# KiCad board SparkFun_IoT_RedBoard-RP2350_panelized.kicad_pcb (continued)
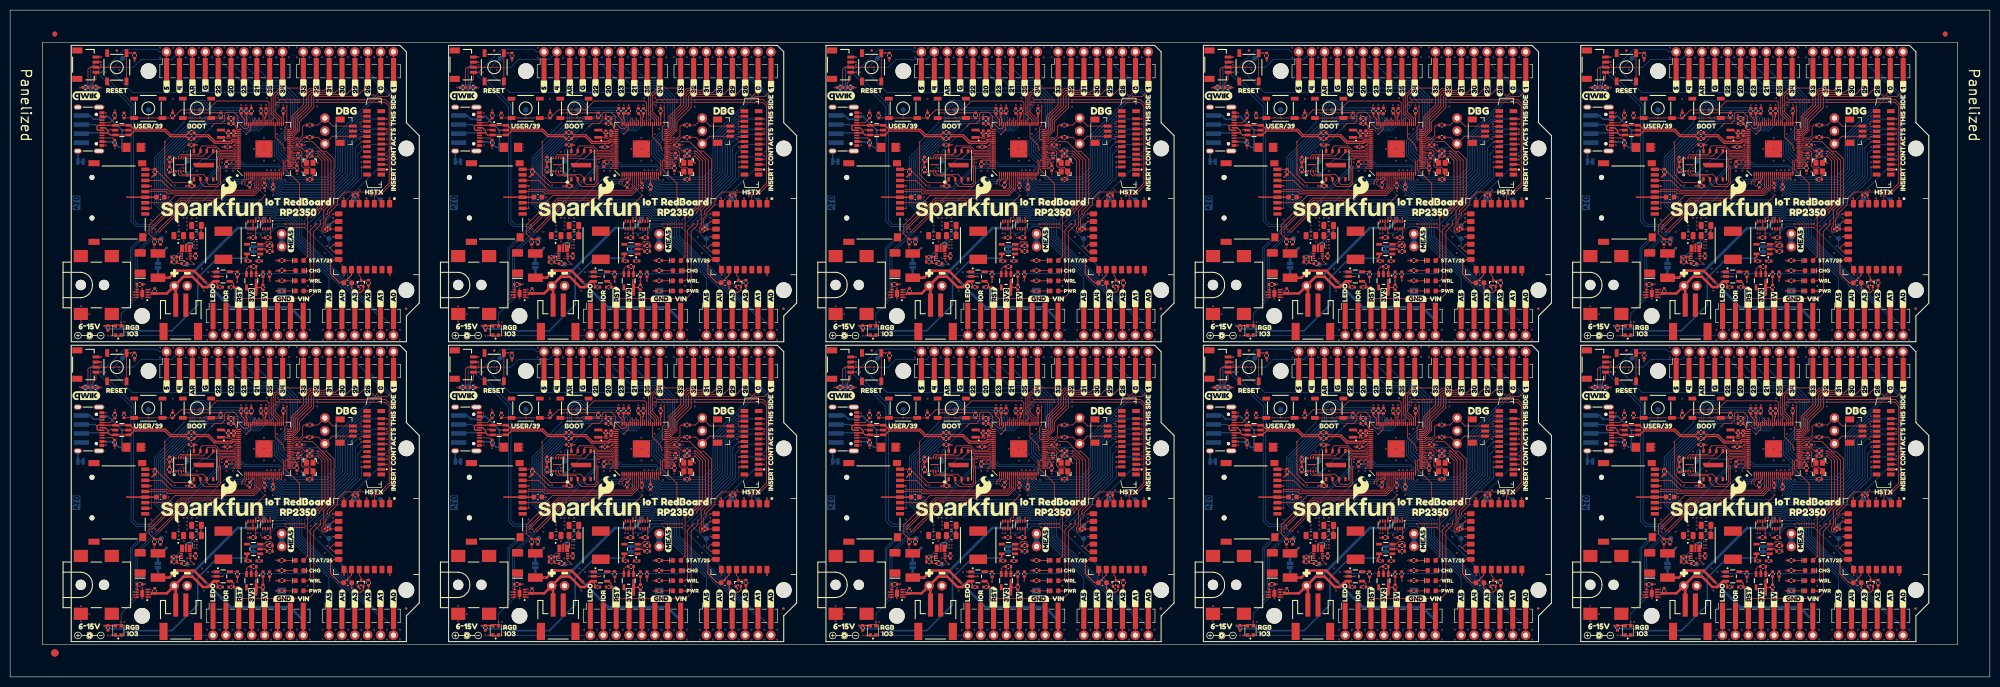
[diagram p0: board, top side]
## Routing (per net, layer and track width the routed paths; a pad name or vN(x,y) marks a point on that pad's centre or on a via; arc(x,y) is an arc through that point)
1.1V: length 367.7
  Top w0.12: C10#3.2 192.21,106.23 193.79,106.23 U1#3.65 ; L1#3.1 191.5,47.23 191.74,47.48 ; C10#5.2 117.85,47.11 119.43,47.11 U1#4.65 ; L1#6.1 340.21,47.23 340.46,47.48 ; C10#9.2 340.93,106.23 342.51,106.23 U1#9.65 ; U1#7.65 193.79,47.11 192.21,47.11 C10#6.2 ; L1#4.1 42.77,106.35 43.02,106.6 ; C10#4.2 43.49,106.23 45.07,106.23 U1#6.65 ; 266.1,106.6 265.85,106.35 L1#10.1 ; C10#2.2 117.85,106.23 119.43,106.23 U1#5.65 ; L1#5.1 117.14,106.35 117.38,106.6 ; 191.74,106.6 191.5,106.35 L1#9.1 ; L1.1 42.77,47.23 43.02,47.48 ; C10.2 43.49,47.11 45.07,47.11 U1.65 ; 266.1,47.48 265.85,47.23 L1#7.1 ; C10#7.2 266.57,47.11 268.15,47.11 U1#8.65 ; U1#10.65 342.51,47.11 340.93,47.11 C10#10.2 ; L1#8.1 340.21,106.35 340.46,106.6 ; U1#2.65 268.15,106.23 266.57,106.23 C10#8.2 ; 117.38,47.48 117.14,47.23 L1#2.1
  Top w0.15: U1#8.51 v1(272.9,51.58) C2#9.1 ; U1#3.10 v1(198.54,98.38) 198.54,97.66 C4#7.1 ; U1#3.32 v1(204.29,104.68) 205.06,104.68 C1#6.2 ; C2#4.1 v1(347.26,51.58) U1#10.51 ; U1#2.32 v1(278.65,104.68) 279.42,104.68 C1#8.2 ; C1#7.2 353.78,104.68 v1(353.01,104.68) U1#9.32 ; U1#2.10 v1(272.9,98.38) 272.9,97.66 C4#8.1 ; U1#6.10 v1(49.82,98.38) 49.82,97.66 C4#3.1 ; U1#8.10 v1(272.9,39.26) 272.9,38.54 C4#2.1 ; C2#2.1 v1(198.54,51.58) U1#7.51 ; U1#6.32 v1(55.57,104.68) 56.34,104.68 C1#4.2 ; C4#5.1 198.54,38.54 v1(198.54,39.26) U1#7.10 ; U1.32 v1(55.57,45.56) 56.34,45.56 C1.2 ; C4#10.1 347.26,97.66 v1(347.26,98.38) U1#9.10 ; C1#10.2 353.78,45.56 v1(353.01,45.56) U1#10.32 ; U1#7.32 v1(204.29,45.56) 205.06,45.56 C1#3.2 ; U1#4.10 v1(124.18,39.26) 124.18,38.54 C4#6.1 ; C2#7.1 v1(124.18,51.58) U1#4.51 ; U1#2.51 v1(272.9,110.7) C2#8.1 ; U1.10 v1(49.82,39.26) 49.82,38.54 C4.1 ; U1#5.10 v1(124.18,98.38) 124.18,97.66 C4#4.1 ; U1#6.51 v1(49.82,110.7) C2#3.1 ; U1#5.51 v1(124.18,110.7) C2#5.1 ; C1#2.2 130.7,45.56 v1(129.93,45.56) U1#4.32 ; C4#9.1 347.26,38.54 v1(347.26,39.26) U1#10.10 ; U1#8.32 v1(278.65,45.56) 279.42,45.56 C1#9.2 ; C2#10.1 v1(347.26,110.7) U1#9.51 ; U1#5.32 v1(129.93,104.68) 130.7,104.68 C1#5.2 ; U1#3.51 v1(198.54,110.7) C2#6.1 ; C2.1 v1(49.82,51.58) U1.51
  In1.Cu w0.15: v1(340.26,47.06) v1(340.66,47.06) 344.16,47.06 347.26,50.16 ; v1(198.54,39.26) 198.49,39.31 198.49,41.16 198.99,41.66 200.39,41.66 v1(204.29,45.56) 199.69,50.16 198.54,50.16 ; 347.26,50.16 348.41,50.16 v1(353.01,45.56) 349.11,41.66 347.71,41.66 347.21,41.16 347.21,39.31 v1(347.26,39.26) ; 347.26,50.16 v1(347.26,51.58) ; 49.82,109.28 46.72,106.18 v1(43.22,106.18) v1(42.82,106.18) ; 49.82,109.28 v1(49.82,110.7) ; 49.82,109.28 50.97,109.28 v1(55.57,104.68) 51.67,100.78 50.27,100.78 49.77,100.28 49.77,98.43 v1(49.82,98.38) ; 124.18,50.16 125.33,50.16 v1(129.93,45.56) 126.03,41.66 124.63,41.66 124.13,41.16 124.13,39.31 v1(124.18,39.26) ; 124.18,50.16 v1(124.18,51.58) ; 124.18,50.16 121.08,47.06 v1(117.58,47.06) v1(117.18,47.06) ; 272.9,109.28 274.05,109.28 v1(278.65,104.68) 274.75,100.78 273.35,100.78 272.85,100.28 272.85,98.43 v1(272.9,98.38) ; 272.9,109.28 269.8,106.18 v1(266.3,106.18) v1(265.9,106.18) ; 272.9,109.28 v1(272.9,110.7) ; 49.82,50.16 50.97,50.16 v1(55.57,45.56) 51.67,41.66 50.27,41.66 49.77,41.16 49.77,39.31 v1(49.82,39.26) ; 49.82,50.16 v1(49.82,51.58) ; 49.82,50.16 46.72,47.06 v1(43.22,47.06) v1(42.82,47.06) ; v1(265.9,47.06) v1(266.3,47.06) 269.8,47.06 272.9,50.16 ; 198.54,109.28 195.44,106.18 v1(191.94,106.18) v1(191.54,106.18) ; 198.54,109.28 199.69,109.28 v1(204.29,104.68) 200.39,100.78 198.99,100.78 198.49,100.28 198.49,98.43 v1(198.54,98.38) ; 198.54,109.28 v1(198.54,110.7) ; 347.26,109.28 344.16,106.18 v1(340.66,106.18) v1(340.26,106.18) ; 347.26,109.28 348.41,109.28 v1(353.01,104.68) 349.11,100.78 347.71,100.78 347.21,100.28 347.21,98.43 v1(347.26,98.38) ; 347.26,109.28 v1(347.26,110.7) ; v1(272.9,39.26) 272.85,39.31 272.85,41.16 273.35,41.66 274.75,41.66 v1(278.65,45.56) 274.05,50.16 272.9,50.16 ; v1(198.54,51.58) 198.54,50.16 ; 198.54,50.16 195.44,47.06 v1(191.94,47.06) v1(191.54,47.06) ; v1(117.18,106.18) v1(117.58,106.18) 121.08,106.18 124.18,109.28 ; v1(124.18,110.7) 124.18,109.28 ; 124.18,109.28 125.33,109.28 v1(129.93,104.68) 126.03,100.78 124.63,100.78 124.13,100.28 124.13,98.43 v1(124.18,98.38) ; 272.9,50.16 v1(272.9,51.58)
3.3V: length 546.9
  Top w0.15: U1#6.68 44.37,105.08 44.17,104.88 ; 118.53,45.76 118.73,45.56 U1#4.69 ; 118.53,45.76 v1(118.13,45.36) C13#4.1 ; 118.53,45.76 118.73,45.96 U1#4.68 ; 267.25,45.76 267.45,45.96 U1#8.68 ; 267.25,45.76 v1(266.85,45.36) C13#7.1 ; 267.25,45.76 267.45,45.56 U1#8.69 ; 118.53,104.88 118.73,104.68 U1#5.69 ; 118.53,104.88 118.73,105.08 U1#5.68 ; 118.53,104.88 v1(118.13,104.48) C13#3.1 ; 192.89,104.88 193.09,104.68 U1#3.69 ; 192.89,104.88 193.09,105.08 U1#3.68 ; 192.89,104.88 v1(192.49,104.48) C13#10.1 ; 192.89,45.76 193.09,45.56 U1#7.69 ; 192.89,45.76 v1(192.49,45.36) C13#8.1 ; 192.89,45.76 193.09,45.96 U1#7.68 ; 341.61,45.76 v1(341.21,45.36) C13#6.1 ; 341.61,45.76 341.81,45.56 U1#10.69 ; 341.61,45.76 341.81,45.96 U1#10.68 ; 341.61,104.88 341.81,104.68 U1#9.69 ; 341.61,104.88 341.81,105.08 U1#9.68 ; 341.61,104.88 v1(341.21,104.48) C13#9.1 ; U1#2.69 267.45,104.68 267.25,104.88 ; 267.25,104.88 v1(266.85,104.48) C13#5.1 ; 267.25,104.88 267.45,105.08 U1#2.68 ; 44.17,45.76 44.37,45.96 U1.68 ; 44.17,45.76 44.37,45.56 U1.69 ; 44.17,45.76 v1(43.77,45.36) C13.1 ; 44.17,104.88 v1(43.77,104.48) C13#2.1 ; 44.17,104.88 44.37,104.68 U1#6.69
  Top w0.2: R18#7.2 v1(121.18,27.46) ; U1#8.24 v1(278.6,42.36) 278.6,42.36 279.3,42.36 279.6,42.06 C11#4.1 ; U4#6.8 180.99,102.23 180.84,102.08 180.84,101.68 180.67,101.51 C20#7.1 180.14,100.98 v1(180.14,100.98) 180.14,100.97 R17#6.2 ; C11#8.1 130.88,42.06 130.58,42.36 129.88,42.36 v1(129.88,42.36) U1#4.24 ; R7#6.2 v1(121.88,53.56) ; D7.2 v1(58.62,16.96) ; R35#3.2 v1(180.74,52.66) ; R34#7.2 v1(98.88,121.38) ; C8#7.1 119.88,51.46 120.58,50.76 U1#4.60 ; U1#6.60 46.22,109.88 45.52,110.58 C8#8.1 ; C16#4.1 130.15,44.14 v1(129.93,44.36) 129.93,44.36 U1#4.29 ; D7#10.2 v1(356.06,76.08) ; R35#2.2 v1(106.38,111.78) ; R21#9.2 v1(347.11,27.46) ; R8#10.2 340.45,110.82 v1(340.46,110.83) ; L2#7.1 67.3,76.5 67.97,75.83 69.17,75.83 v1(69.62,76.28) Q1#4.2 ; U1.60 46.22,50.76 45.52,51.46 C8.1 ; U11#3.5 272.4,17.66 272.88,17.18 C32#5.1 ; J8#5.3 H1#7.AREF ; U1#9.64 341.48,106.68 C6#10.2 ; C6#8.2 118.4,47.56 U1#4.64 ; R34#9.2 v1(247.6,121.38) ; R17#3.2 105.79,41.85 v1(105.78,41.86) 105.79,41.86 C20#2.1 106.31,42.39 106.48,42.56 106.48,42.96 106.63,43.11 U4.8 ; C32#6.1 272.88,76.3 272.4,76.78 U11#9.5 ; U1#8.29 278.65,44.36 v1(278.65,44.36) 278.87,44.14 C16#6.1 ; U1#3.15 v1(200.54,98.08) C15#4.1 ; R8#5.2 117.37,51.7 v1(117.38,51.71) ; C8#2.1 342.96,51.46 343.66,50.76 U1#10.60 ; L2#3.1 364.74,17.38 365.41,16.71 366.61,16.71 v1(367.06,17.16) Q1#8.2 ; C18#7.1 340.38,42.76 U1#10.76 ; R17#7.2 254.5,41.85 v1(254.5,41.86) 254.5,41.86 C20#5.1 255.03,42.39 255.2,42.56 255.2,42.96 255.35,43.11 U4#8.8 ; R7#5.2 v1(196.24,112.68) ; U1#9.5 v1(345.26,98.08) 344.66,97.48 C14.1 ; R21#3.2 v1(272.75,27.46) ; D7#7.2 v1(58.62,76.08) ; C15#9.1 v1(349.26,98.08) U1#9.15 ; U1#6.29 55.57,103.48 v1(55.57,103.48) 55.79,103.26 C16#7.1 ; R35#5.2 v1(106.38,52.66) ; C32#3.1 124.16,76.3 123.68,76.78 U11#5.5 ; R18#2.2 v1(344.26,27.46) ; R21#5.2 v1(124.03,27.46) ; v1(222.94,40.86) 222.89,40.91 J11#6.1 ; Q1#3.2 v1(143.98,17.16) 143.53,16.71 142.33,16.71 141.66,17.38 L2#4.1 ; U1.15 v1(51.82,38.96) C15#10.1 ; C12#3.1 124.78,51.36 v1(124.58,51.16) 124.58,51.16 U1#4.50 ; U1#9.50 347.66,110.28 v1(347.66,110.28) 347.86,110.48 C12#9.1 ; U1#10.29 353.01,44.36 v1(353.01,44.36) 353.23,44.14 C16#3.1 ; R8#3.2 117.37,110.82 v1(117.38,110.83) ; C14#5.1 270.3,38.36 v1(270.9,38.96) U1#8.5 ; C12#8.1 347.86,51.36 v1(347.66,51.16) 347.66,51.16 U1#10.50 ; R17#2.2 254.5,100.97 v1(254.5,100.98) 254.5,100.98 C20#8.1 255.03,101.51 255.2,101.68 255.2,102.08 255.35,102.23 U4#4.8 ; R22#6.2 v1(175.34,18.26) ; J11#4.1 148.53,40.91 v1(148.58,40.86) ; L2#10.1 364.74,76.5 365.41,75.83 366.61,75.83 v1(367.06,76.28) Q1#7.2 ; R8#7.2 191.73,110.82 v1(191.74,110.83) ; U11#2.5 198.04,76.78 198.52,76.3 C32#8.1 ; R16#8.2 v1(183.34,96.78) ; R21#4.2 v1(49.67,86.58) ; R22#9.2 v1(249.7,18.26) ; v1(222.94,99.98) 222.89,100.03 J11#2.1 ; v1(43.02,110.83) 43.01,110.82 R8#6.2 ; U1#2.5 v1(270.9,98.08) 270.3,97.48 C14#7.1 ; U1#6.24 v1(55.52,101.48) 55.52,101.48 56.22,101.48 56.52,101.18 C11#10.1 ; R18#6.2 v1(344.26,86.58) ; U1#7.50 198.94,51.16 v1(198.94,51.16) 199.14,51.36 C12#5.1 ; J8#4.3 H1#4.AREF ; R35#10.2 v1(255.1,52.66) ; C8#4.1 119.88,110.58 120.58,109.88 U1#5.60 ; C18#9.1 266.02,101.88 U1#2.76 ; U1#6.76 42.94,101.88 C18#2.1 ; C11#3.1 130.88,101.18 130.58,101.48 129.88,101.48 v1(129.88,101.48) U1#5.24 ; U1#2.50 273.3,110.28 v1(273.3,110.28) 273.5,110.48 C12#10.1 ; U1#6.5 v1(47.82,98.08) 47.22,97.48 C14#3.1 ; U1.41 v1(53.82,51.36) C17.1 ; v1(43.02,51.71) 43.01,51.7 R8.2 ; v1(334.26,45.76) C19#8.1 333.64,44.55 333.65,44.53 ; C11#6.1 353.96,42.06 353.66,42.36 352.96,42.36 v1(352.96,42.36) U1#10.24 ; v1(259.9,45.76) C19#5.1 259.28,44.55 U3#5.8 ; U4#3.8 329.71,102.23 329.56,102.08 329.56,101.68 329.39,101.51 C20#6.1 328.87,100.98 v1(328.86,100.98) 328.87,100.97 R17#9.2 ; v1(259.9,104.88) C19#4.1 259.28,103.67 U3#10.8 ; L2#8.1 216.01,17.38 216.69,16.71 217.89,16.71 v1(218.34,17.16) Q1#6.2 ; U11#6.5 49.32,76.78 49.8,76.3 C32#2.1 ; R35#6.2 v1(329.46,111.78) ; J11#9.1 297.25,100.03 v1(297.3,99.98) ; R34#5.2 v1(173.24,62.26) ; C6#2.2 118.4,106.68 U1#5.64 ; R16#10.2 v1(332.06,96.78) ; J8#9.3 H1#9.AREF ; U1#7.64 192.76,47.56 C6#6.2 ; R21#2.2 v1(198.39,86.58) ; C16#5.1 204.51,44.14 v1(204.29,44.36) 204.29,44.36 U1#7.29 ; R7#4.2 v1(47.52,112.68) ; C17#8.1 v1(202.54,110.48) U1#3.41 ; U4#5.8 106.63,102.23 106.48,102.08 106.48,101.68 106.31,101.51 C20#4.1 105.79,100.98 v1(105.78,100.98) 105.79,100.97 R17.2 ; C14#9.1 195.94,38.36 v1(196.54,38.96) U1#7.5 ; R34#4.2 v1(98.88,62.26) ; Q1#5.2 v1(143.98,76.28) 143.53,75.83 142.33,75.83 141.66,76.5 L2#6.1 ; L2.1 67.3,17.38 67.97,16.71 69.17,16.71 v1(69.62,17.16) Q1.2 ; U4#9.8 329.71,43.11 329.56,42.96 329.56,42.56 329.39,42.39 C20#9.1 328.87,41.86 v1(328.86,41.86) 328.87,41.85 R17#8.2 ; C17#2.1 v1(128.18,110.48) U1#5.41 ; R16.2 v1(34.62,37.66) ; R18#10.2 v1(46.82,27.46) ; R21#6.2 v1(124.03,86.58) ; L2#9.1 290.38,76.5 291.05,75.83 292.25,75.83 v1(292.7,76.28) Q1#10.2 ; U1#10.5 v1(345.26,38.96) 344.66,38.36 C14#8.1 ; R21.2 v1(49.67,27.46) ; v1(36.82,104.88) C19#3.1 36.2,103.67 U3#4.8 ; D7#5.2 v1(207.34,76.08) ; C12#4.1 124.78,110.48 v1(124.58,110.28) 124.58,110.28 U1#5.50 ; C32#4.1 198.52,17.18 198.04,17.66 U11#8.5 ; R22#4.2 v1(324.06,77.38) ; R7#9.2 v1(270.6,112.68) ; D7#2.2 v1(281.7,16.96) ; C15#6.1 v1(200.54,38.96) U1#7.15 ; L2#5.1 216.01,76.5 216.69,75.83 217.89,75.83 v1(218.34,76.28) Q1#2.2 ; C18.1 42.94,42.76 U1.76 ; U1#3.24 v1(204.24,101.48) 204.24,101.48 204.94,101.48 205.24,101.18 C11#2.1 ; C16#8.1 130.15,103.26 v1(129.93,103.48) 129.93,103.48 U1#5.29 ; R7#2.2 v1(121.88,112.68) ; R16#2.2 v1(332.06,37.66) ; U1.5 v1(47.82,38.96) 47.22,38.36 C14#10.1 ; U1#4.41 v1(128.18,51.36) C17#3.1 ; U1#6.41 v1(53.82,110.48) C17#5.1 ; U1#3.50 198.94,110.28 v1(198.94,110.28) 199.14,110.48 C12#6.1 ; R17#5.2 180.14,41.85 v1(180.14,41.86) 180.14,41.86 C20.1 180.67,42.39 180.84,42.56 180.84,42.96 180.99,43.11 U4#7.8 ; R16#7.2 v1(108.98,96.78) ; J8#6.3 H1#2.AREF ; C12#7.1 273.5,51.36 v1(273.3,51.16) 273.3,51.16 U1#8.50 ; C11#7.1 353.96,101.18 353.66,101.48 352.96,101.48 v1(352.96,101.48) U1#9.24 ; R8#9.2 340.45,51.7 v1(340.46,51.71) ; C15.1 v1(126.18,38.96) U1#4.15 ; R16#9.2 v1(257.7,96.78) ; C8#6.1 268.6,51.46 269.3,50.76 U1#8.60 ; v1(36.82,45.76) C19.1 36.2,44.55 U3.8 ; R34#2.2 v1(24.52,121.38) ; C15#2.1 v1(51.82,98.08) U1#6.15 ; D7#8.2 v1(132.98,16.96) ; C12#2.1 50.42,110.48 v1(50.22,110.28) 50.22,110.28 U1#6.50 ; U1#9.29 353.01,103.48 v1(353.01,103.48) 353.23,103.26 C16#10.1 ; C15#5.1 v1(274.9,98.08) U1#2.15 ; U1#7.41 v1(202.54,51.36) C17#7.1 ; R22#8.2 v1(26.62,77.38) ; U3#8.8 184.92,103.67 C19#10.1 v1(185.54,104.88) ; U1#5.76 117.3,101.88 C18#6.1 ; C6#9.2 192.76,106.68 U1#3.64 ; C32#10.1 49.8,17.18 49.32,17.66 U11.5 ; D7#3.2 v1(132.98,76.08) ; U1#9.60 343.66,109.88 342.96,110.58 C8#10.1 ; J8#8.3 H1#3.AREF ; J8#2.3 H1#6.AREF ; v1(371.66,40.86) 371.61,40.91 J11#10.1 ; R21#10.2 v1(347.11,86.58) ; C32#7.1 347.24,76.3 346.76,76.78 U11#4.5 ; U1#2.60 269.3,109.88 268.6,110.58 C8#9.1 ; v1(74.22,99.98) 74.17,100.03 J11#3.1 ; U1#10.64 341.48,47.56 C6#3.2 ; R7#7.2 v1(270.6,53.56) ; v1(111.18,104.88) C19#2.1 110.56,103.67 U3#3.8 ; R35#9.2 v1(180.74,111.78) ; U1#4.76 117.3,42.76 C18#5.1 ; U3#7.8 184.92,44.55 C19#6.1 v1(185.54,45.76) ; U11#10.5 346.76,17.66 347.24,17.18 C32#9.1 ; U1#8.76 266.02,42.76 C18#3.1 ; C17#9.1 v1(276.9,51.36) U1#8.41 ; R8#4.2 266.09,110.82 v1(266.1,110.83) ; R7#8.2 v1(344.96,112.68) ; R7#3.2 v1(196.24,53.56) ; R17#10.2 31.42,41.85 v1(31.42,41.86) 31.42,41.86 C20#10.1 31.95,42.39 32.12,42.56 32.12,42.96 32.27,43.11 U4#10.8 ; U1#3.29 204.29,103.48 v1(204.29,103.48) 204.51,103.26 C16#2.1 ; R18.2 v1(269.9,27.46) ; R16#4.2 v1(34.62,96.78) ; C6.2 44.04,47.56 U1.64 ; C8#3.1 194.24,51.46 194.94,50.76 U1#7.60 ; C15#3.1 v1(126.18,98.08) U1#5.15 ; J8.3 H1#10.AREF ; C11#9.1 205.24,42.06 204.94,42.36 204.24,42.36 v1(204.24,42.36) U1#7.24 ; R35#8.2 v1(255.1,111.78) ; R21#7.2 v1(198.39,27.46) ; U1#8.15 v1(274.9,38.96) C15#7.1 ; R8#8.2 266.09,51.7 v1(266.1,51.71) ; C18#8.1 340.38,101.88 U1#9.76 ; U1#2.64 267.12,106.68 C6#5.2 ; U1#2.29 278.65,103.48 v1(278.65,103.48) 278.87,103.26 C16#9.1 ; U1#2.24 v1(278.6,101.48) 278.6,101.48 279.3,101.48 279.6,101.18 C11#5.1 ; U1#8.64 267.12,47.56 C6#4.2 ; R22.2 v1(26.62,18.26) ; R22#10.2 v1(324.06,18.26) ; U1#2.41 v1(276.9,110.48) C17#4.1 ; C18#10.1 191.66,42.76 U1#7.76 ; D7#9.2 v1(356.06,16.96) ; U1.24 v1(55.52,42.36) 55.52,42.36 56.22,42.36 56.52,42.06 C11.1 ; D7#6.2 v1(281.7,76.08) ; J11#7.1 371.61,100.03 v1(371.66,99.98) ; R18#8.2 v1(121.18,86.58) ; U1#5.5 v1(122.18,98.08) 121.58,97.48 C14#4.1 ; U1#10.15 v1(349.26,38.96) C15#8.1 ; U1#3.60 194.94,109.88 194.24,110.58 C8#5.1 ; J8#3.3 H1#5.AREF ; U1#6.64 44.04,106.68 C6#7.2 ; R17#4.2 31.42,100.97 v1(31.42,100.98) 31.42,100.98 C20#3.1 31.95,101.51 32.12,101.68 32.12,102.08 32.27,102.23 U4#2.8 ; v1(334.26,104.88) C19#9.1 333.64,103.67 333.65,103.65 ; C17#6.1 v1(351.26,51.36) U1#10.41 ; R22#3.2 v1(249.7,77.38) ; R34.2 v1(24.52,62.26) ; C16.1 55.79,44.14 v1(55.57,44.36) 55.57,44.36 U1.29 ; R22#5.2 v1(100.98,77.38) ; R22#2.2 v1(175.34,77.38) ; C17#10.1 v1(351.26,110.48) U1#9.41 ; R34#8.2 v1(247.6,62.26) ; R18#9.2 v1(46.82,86.58) ; L2#2.1 290.38,17.38 291.05,16.71 292.25,16.71 v1(292.7,17.16) Q1#9.2 ; C14#6.1 195.94,97.48 v1(196.54,98.08) U1#3.5 ; v1(191.74,51.71) 191.73,51.7 R8#2.2 ; C18#4.1 191.66,101.88 U1#3.76 ; U11#7.5 123.68,17.66 124.16,17.18 C32.1 ; R22#7.2 v1(100.98,18.26) ; R21#8.2 v1(272.75,86.58) ; J8#10.3 H1#8.AREF ; v1(148.58,99.98) 148.53,100.03 J11#5.1 ; C12.1 50.42,51.36 v1(50.22,51.16) 50.22,51.16 U1.50 ; R35#4.2 v1(32.02,111.78) ; R18#4.2 v1(195.54,86.58) ; J8#7.3 H1.AREF ; D7#4.2 v1(207.34,16.96) ; R16#6.2 v1(257.7,37.66) ; R18#5.2 v1(195.54,27.46) ; v1(297.3,40.86) 297.25,40.91 J11#8.1 ; U1#4.5 v1(122.18,38.96) 121.58,38.36 C14#2.1 ; v1(74.22,40.86) 74.17,40.91 J11.1 ; R35#7.2 v1(329.46,52.66) ; v1(111.18,45.76) C19#7.1 110.56,44.55 U3#2.8 ; R16#3.2 v1(183.34,37.66) ; R7#10.2 v1(344.96,53.56) ; R34#10.2 v1(321.96,62.26) ; R18#3.2 v1(269.9,86.58) ; R35.2 v1(32.02,52.66) ; R34#6.2 v1(321.96,121.38) ; R34#3.2 v1(173.24,121.38) ; R7.2 v1(47.52,53.56) ; R16#5.2 v1(108.98,37.66)
  Top w0.3: J1#7.4 H1#4.3.3V ; J1#4.2 H1#7.IOREF ; J1#3.2 H1#5.IOREF ; J1.4 H1#9.3.3V ; J1#7.2 H1#4.IOREF ; J1#10.4 H1#10.3.3V ; J1#8.2 H1#8.IOREF ; J1#8.4 H1#8.3.3V ; J1#10.2 H1#10.IOREF ; J1#6.4 H1.3.3V ; J1#9.2 H1#3.IOREF ; J1#5.2 H1#6.IOREF ; J1.2 H1#9.IOREF ; J1#6.2 H1.IOREF ; J1#4.4 H1#7.3.3V ; J1#2.4 H1#2.3.3V ; J1#2.2 H1#2.IOREF ; J1#9.4 H1#3.3.3V ; J1#5.4 H1#6.3.3V ; J1#3.4 H1#5.3.3V
  Top w0.5: 197.19,17.69 v1(197.19,18.66) v1(197.19,19.11) ; 122.83,17.69 v1(122.83,18.66) v1(122.83,19.11) ; v1(48.47,16.21) v1(48.47,16.66) U11.5 ; 345.91,17.69 v1(345.91,18.66) v1(345.91,19.11) ; v1(197.19,75.33) v1(197.19,75.78) U11#2.5 ; 48.47,17.69 v1(48.47,18.66) v1(48.47,19.11) ; U11#3.5 v1(271.55,16.66) v1(271.55,16.21) ; 197.19,76.81 v1(197.19,77.78) v1(197.19,78.23) ; U11#7.5 v1(122.83,16.66) v1(122.83,16.21) ; v1(48.47,78.23) v1(48.47,77.78) 48.47,76.81 ; v1(197.19,16.21) v1(197.19,16.66) U11#8.5 ; 271.55,17.69 v1(271.55,18.66) v1(271.55,19.11) ; v1(271.55,75.33) v1(271.55,75.78) U11#9.5 ; v1(345.91,75.33) v1(345.91,75.78) U11#4.5 ; U11#6.5 v1(48.47,75.78) v1(48.47,75.33) ; v1(345.91,16.21) v1(345.91,16.66) U11#10.5 ; v1(345.91,78.23) v1(345.91,77.78) 345.91,76.81 ; v1(122.83,78.23) v1(122.83,77.78) 122.83,76.81 ; U11#5.5 v1(122.83,75.78) v1(122.83,75.33) ; 271.55,76.81 v1(271.55,77.78) v1(271.55,78.23)
  Bottom w0.2: JP5#6.1 v1(271.05,82.93) ; JP5#5.1 v1(196.69,82.93) ; JP5#9.1 v1(345.41,23.81) ; JP5.1 v1(47.97,23.81) ; JP5#8.1 v1(271.05,23.81) ; JP5#10.1 v1(345.41,82.93) ; JP5#4.1 v1(196.69,23.81) ; JP5#7.1 v1(122.33,82.93) ; JP5#3.1 v1(47.97,82.93) ; JP5#2.1 v1(122.33,23.81)
  vias: v1(44.02,101.88) v1(44.02,42.76) v1(44.52,106.68) v1(44.52,47.56) v1(46.02,110.08) v1(46.02,50.96) v1(118.38,101.88) v1(118.38,42.76) v1(118.88,106.68) v1(118.88,47.56) v1(120.38,110.08) v1(120.38,50.96) v1(192.74,101.88) v1(192.74,42.76) v1(193.24,106.68) v1(193.24,47.56) v1(194.74,110.08) v1(194.74,50.96) v1(267.1,101.88) v1(267.1,42.76) v1(267.6,106.68) v1(267.6,47.56) v1(269.1,110.08) v1(269.1,50.96) v1(341.46,101.88) v1(341.46,42.76) v1(341.96,106.68) v1(341.96,47.56) v1(343.46,110.08) v1(343.46,50.96)
3.3V_P: length 1153.8
  Top w0.2: J13#2.2 166.63,62.07 v1(166.64,62.06) ; v1(17.92,121.18) 17.91,121.19 J13#6.2 ; v1(166.64,121.18) 166.63,121.19 J13#9.2 ; v1(315.36,62.06) 315.35,62.07 J13#5.2 ; v1(92.28,62.06) 92.27,62.07 J13#4.2 ; J13#10.2 240.99,62.07 v1(241,62.06) ; J13#7.2 92.27,121.19 v1(92.28,121.18) ; v1(315.36,121.18) 315.35,121.19 J13#3.2 ; v1(17.92,62.06) 17.91,62.07 J13.2 ; J13#8.2 240.99,121.19 v1(241,121.18)
  Top w0.3: v1(27.97,98.53) 28.51,99.07 R33#6.2 ; v1(92.88,10.11) 93.6,10.11 C34#2.1 93.66,10.11 95.1,10.11 D4.4 ; C31#3.1 46.39,82.5 v1(46.42,82.53) 46.67,82.78 U10#3.5 ; v1(246.1,94.58) 246.12,94.56 J14#9.4 251.91,94.56 C35#6.1 ; C35#10.1 177.55,94.56 J14#4.4 171.76,94.56 v1(171.74,94.58) ; U10#5.5 269.75,23.66 v1(269.5,23.41) 269.47,23.38 C31#9.1 ; v1(176.69,98.53) 177.23,99.07 R33#3.2 ; v1(102.33,39.41) 102.87,39.95 R33#2.2 ; C31#6.1 195.11,23.38 v1(195.14,23.41) 195.39,23.66 U10#6.5 ; R33.2 28.51,39.95 v1(27.97,39.41) ; C35#9.1 177.55,35.44 J14#3.4 171.76,35.44 v1(171.74,35.46) ; C31#4.1 120.75,23.38 v1(120.78,23.41) 121.03,23.66 U10#7.5 ; R33#9.2 251.59,39.95 v1(251.05,39.41) ; v1(97.38,35.46) 97.4,35.44 J14#5.4 103.19,35.44 C35#3.1 ; D4#4.4 169.45,69.23 168.02,69.23 C34#4.1 167.96,69.23 v1(167.24,69.23) ; C35#5.1 251.91,35.44 J14#7.4 246.12,35.44 v1(246.1,35.46) ; U10#8.5 121.03,82.78 v1(120.78,82.53) 120.75,82.5 C31#5.1 ; U10#4.5 344.11,23.66 v1(343.86,23.41) 343.83,23.38 C31#8.1 ; D4#6.4 169.45,10.11 168.02,10.11 C34#5.1 167.96,10.11 v1(167.24,10.11) ; v1(23.02,35.46) 23.04,35.44 J14.4 28.83,35.44 28.85,35.46 ; D4#3.4 20.73,10.11 19.3,10.11 C34.1 19.24,10.11 v1(18.52,10.11) ; v1(315.96,10.11) 316.68,10.11 C34#6.1 316.74,10.11 318.18,10.11 D4#9.4 ; C31#2.1 195.11,82.5 v1(195.14,82.53) 195.39,82.78 U10#2.5 ; C35#7.1 326.27,35.44 J14#8.4 320.48,35.44 v1(320.46,35.46) ; R33#8.2 102.87,99.07 v1(102.33,98.53) ; v1(325.41,98.53) 325.95,99.07 R33#5.2 ; v1(241.6,10.11) 242.32,10.11 C34#8.1 242.38,10.11 243.81,10.11 D4#8.4 ; C35#4.1 103.19,94.56 J14#6.4 97.4,94.56 v1(97.38,94.58) ; U10#10.5 344.11,82.78 v1(343.86,82.53) 343.83,82.5 C31#10.1 ; v1(18.52,69.23) 19.24,69.23 C34#3.1 19.3,69.23 20.73,69.23 D4#2.4 ; v1(325.41,39.41) 325.95,39.95 R33#10.2 ; R33#4.2 251.59,99.07 v1(251.05,98.53) ; v1(92.88,69.23) 93.6,69.23 C34#7.1 93.66,69.23 95.1,69.23 D4#7.4 ; v1(176.69,39.41) 177.23,39.95 R33#7.2 ; U10.5 46.67,23.66 v1(46.42,23.41) 46.39,23.38 C31.1 ; C31#7.1 269.47,82.5 v1(269.5,82.53) 269.75,82.78 U10#9.5 ; D4#10.4 318.18,69.23 316.74,69.23 C34#9.1 316.68,69.23 v1(315.96,69.23) ; C35#8.1 326.27,94.56 J14#10.4 320.48,94.56 v1(320.46,94.58) ; v1(23.02,94.58) 23.04,94.56 J14#2.4 28.83,94.56 28.85,94.58 ; v1(241.6,69.23) 242.32,69.23 C34#10.1 242.38,69.23 243.81,69.23 D4#5.4
  In1.Cu w0.3: v1(315.96,69.23) 313.76,71.43 313.76,77.93 320.46,84.63 v1(320.46,94.58) ; v1(23.02,94.58) 26.97,98.53 v1(27.97,98.53) ; v1(23.02,94.58) 15.92,101.68 v1(15.92,115.08) ; v1(23.02,94.58) 23.02,84.63 16.32,77.93 16.32,71.43 v1(18.52,69.23) ; v1(241.6,69.23) 239.4,71.43 239.4,77.93 246.1,84.63 v1(246.1,94.58) ; v1(325.41,39.41) 324.41,39.41 v1(320.46,35.46) ; v1(313.36,55.96) 313.36,42.56 v1(320.46,35.46) ; v1(246.1,35.46) 250.05,39.41 v1(251.05,39.41) ; v1(246.1,35.46) 239,42.56 v1(239,55.96) ; v1(246.1,35.46) 246.1,25.51 239.4,18.81 239.4,12.31 v1(241.6,10.11) ; v1(320.46,94.58) 324.41,98.53 v1(325.41,98.53) ; v1(320.46,94.58) 313.36,101.68 v1(313.36,115.08) ; v1(97.38,35.46) 97.38,25.51 90.68,18.81 90.68,12.31 v1(92.88,10.11) ; v1(97.38,35.46) 90.28,42.56 v1(90.28,55.96) ; v1(97.38,35.46) 101.33,39.41 v1(102.33,39.41) ; v1(97.38,94.58) 97.38,84.63 90.68,77.93 90.68,71.43 v1(92.88,69.23) ; v1(97.38,94.58) 90.28,101.68 v1(90.28,115.08) ; v1(97.38,94.58) 101.33,98.53 v1(102.33,98.53) ; v1(164.64,55.96) 164.64,42.56 v1(171.74,35.46) ; v1(320.46,35.46) 320.46,25.51 313.76,18.81 313.76,12.31 v1(315.96,10.11) ; v1(176.69,98.53) 175.69,98.53 v1(171.74,94.58) ; v1(27.97,39.41) 26.97,39.41 v1(23.02,35.46) ; v1(15.92,55.96) 15.92,42.56 v1(23.02,35.46) ; v1(246.1,94.58) 239,101.68 v1(239,115.08) ; v1(246.1,94.58) 250.05,98.53 v1(251.05,98.53) ; v1(171.74,94.58) 164.64,101.68 v1(164.64,115.08) ; v1(171.74,94.58) 171.74,84.63 165.04,77.93 165.04,71.43 v1(167.24,69.23) ; v1(176.69,39.41) 175.69,39.41 v1(171.74,35.46) ; v1(18.52,10.11) 16.32,12.31 16.32,18.81 23.02,25.51 v1(23.02,35.46) ; v1(171.74,35.46) 171.74,25.51 165.04,18.81 165.04,12.31 v1(167.24,10.11)
  Bottom w0.2: v1(164.64,55.96) 164.61,55.99 JP3#7.2 164.61,60.98 165.69,62.06 v1(166.64,62.06) ; v1(239,55.96) 238.97,55.99 JP3#8.2 238.97,60.98 240.05,62.06 v1(241,62.06) ; v1(17.92,62.06) 16.97,62.06 15.89,60.98 JP3.2 15.89,55.99 v1(15.92,55.96) ; v1(166.64,121.18) 165.69,121.18 164.61,120.1 JP3#2.2 164.61,115.11 v1(164.64,115.08) ; v1(15.92,115.08) 15.89,115.11 JP3#6.2 15.89,120.1 16.97,121.18 v1(17.92,121.18) ; v1(315.36,121.18) 314.41,121.18 313.33,120.1 JP3#10.2 313.33,115.11 v1(313.36,115.08) ; v1(92.28,62.06) 91.33,62.06 90.25,60.98 JP3#5.2 90.25,55.99 v1(90.28,55.96) ; v1(90.28,115.08) 90.25,115.11 JP3#4.2 90.25,120.1 91.33,121.18 v1(92.28,121.18) ; v1(315.36,62.06) 314.41,62.06 313.33,60.98 JP3#3.2 313.33,55.99 v1(313.36,55.96) ; v1(239,115.08) 238.97,115.11 JP3#9.2 238.97,120.1 240.05,121.18 v1(241,121.18)
  Bottom w0.3: v1(92.88,10.11) 93.53,9.46 98.43,9.46 98.78,9.11 106.23,9.11 111.33,14.21 111.33,19.56 115.18,23.41 v1(120.78,23.41) ; v1(315.96,10.11) 316.61,9.46 321.51,9.46 321.86,9.11 329.31,9.11 334.41,14.21 334.41,19.56 338.26,23.41 v1(343.86,23.41) ; v1(18.52,10.11) 19.17,9.46 24.07,9.46 24.42,9.11 31.87,9.11 36.97,14.21 36.97,19.56 40.82,23.41 v1(46.42,23.41) ; v1(269.5,82.53) 263.9,82.53 260.05,78.68 260.05,73.33 254.95,68.23 247.5,68.23 247.15,68.58 242.25,68.58 v1(241.6,69.23) ; v1(241.6,10.11) 242.25,9.46 247.15,9.46 247.5,9.11 254.95,9.11 260.05,14.21 260.05,19.56 263.9,23.41 v1(269.5,23.41) ; v1(195.14,23.41) 189.54,23.41 185.69,19.56 185.69,14.21 180.59,9.11 173.14,9.11 172.79,9.46 167.89,9.46 v1(167.24,10.11) ; v1(315.96,69.23) 316.61,68.58 321.51,68.58 321.86,68.23 329.31,68.23 334.41,73.33 334.41,78.68 338.26,82.53 v1(343.86,82.53) ; v1(195.14,82.53) 189.54,82.53 185.69,78.68 185.69,73.33 180.59,68.23 173.14,68.23 172.79,68.58 167.89,68.58 v1(167.24,69.23) ; v1(46.42,82.53) 40.82,82.53 36.97,78.68 36.97,73.33 31.87,68.23 24.42,68.23 24.07,68.58 19.17,68.58 v1(18.52,69.23) ; v1(120.78,82.53) 115.18,82.53 111.33,78.68 111.33,73.33 106.23,68.23 98.78,68.23 98.43,68.58 93.53,68.58 v1(92.88,69.23)
5V: length 393.6
  Top w0.2: R23#4.2 v1(126.78,20.96) ; U9#10.4 341.01,77.98 341.49,77.5 C28#9.1 v1(342.21,76.83) ; U9#6.4 117.93,77.98 118.41,77.5 C28#5.1 v1(119.13,76.83) ; U6#7.7 v1(270.95,89.03) U6#7.2 ; U9#2.4 341.01,18.86 341.49,18.38 C28#10.1 v1(342.21,17.71) ; R23#8.2 v1(349.86,20.96) ; R23#6.2 v1(201.14,20.96) ; U6#5.2 v1(345.31,89.03) U6#5.7 ; U9#5.4 117.93,18.86 118.41,18.38 C28#4.1 v1(119.13,17.71) ; R23#5.2 v1(126.78,80.08) ; U6#4.7 v1(122.23,29.91) U6#4.2 ; U9.4 43.57,18.86 44.05,18.38 C28.1 v1(44.77,17.71) ; U6#2.7 v1(47.87,89.03) U6#2.2 ; U9#7.4 192.29,18.86 192.77,18.38 C28#6.1 v1(193.49,17.71) ; U9#3.4 43.57,77.98 44.05,77.5 C28#7.1 v1(44.77,76.83) ; R23#2.2 v1(201.14,80.08) ; U6#3.7 v1(122.23,89.03) U6#3.2 ; U9#8.4 266.65,77.98 267.13,77.5 C28#2.1 v1(267.85,76.83) ; v1(267.85,17.71) C28#3.1 267.13,18.38 266.65,18.86 U9#9.4 ; R23#10.2 v1(52.42,20.96) ; R23.2 v1(52.42,80.08) ; U6#9.2 v1(196.59,29.91) U6#9.7 ; U6.7 v1(47.87,29.91) U6.2 ; U9#4.4 192.29,77.98 192.77,77.5 C28#8.1 v1(193.49,76.83) ; U6#6.2 v1(196.59,89.03) U6#6.7 ; R23#7.2 v1(349.86,80.08) ; U6#10.7 v1(345.31,29.91) U6#10.2 ; U6#8.2 v1(270.95,29.91) U6#8.7 ; R23#9.2 v1(275.5,80.08) ; R23#3.2 v1(275.5,20.96)
  Top w0.3: J1#8.5 H1#8.5V ; J1.5 H1#9.5V ; J1#9.5 H1#3.5V ; J1#10.5 H1#10.5V ; J1#7.5 H1#4.5V ; J1#5.5 H1#6.5V ; J1#3.5 H1#5.5V ; J1#4.5 H1#7.5V ; J1#2.5 H1#2.5V ; J1#6.5 H1.5V
  In1.Cu w0.3: 344.76,16.56 343.61,17.71 v1(342.21,17.71) ; 344.76,16.56 346.56,18.36 346.56,19.76 347.76,20.96 v1(349.86,20.96) 349.86,21.68 345.31,26.23 v1(345.31,29.91) ; 344.76,16.56 344.76,14.81 347.57,12 H1#3.5V ; v1(342.21,76.83) 343.61,76.83 344.76,75.68 ; H1#10.5V 50.13,12 47.32,14.81 47.32,16.56 ; H1#6.5V 124.49,71.12 121.68,73.93 121.68,75.68 ; 47.32,16.56 46.17,17.71 v1(44.77,17.71) ; 47.32,16.56 49.12,18.36 49.12,19.76 50.32,20.96 v1(52.42,20.96) 52.42,21.68 47.87,26.23 v1(47.87,29.91) ; 270.4,16.56 270.4,14.81 273.21,12 H1#2.5V ; 270.4,16.56 272.2,18.36 272.2,19.76 273.4,20.96 v1(275.5,20.96) 275.5,21.68 270.95,26.23 v1(270.95,29.91) ; 270.4,16.56 269.25,17.71 v1(267.85,17.71) ; 270.4,75.68 270.4,73.93 273.21,71.12 H1#8.5V ; 270.4,75.68 272.2,77.48 272.2,78.88 273.4,80.08 v1(275.5,80.08) 275.5,80.8 270.95,85.35 v1(270.95,89.03) ; 270.4,75.68 269.25,76.83 v1(267.85,76.83) ; v1(119.13,76.83) 120.53,76.83 121.68,75.68 ; 47.32,75.68 49.12,77.48 49.12,78.88 50.32,80.08 v1(52.42,80.08) 52.42,80.8 47.87,85.35 v1(47.87,89.03) ; 47.32,75.68 46.17,76.83 v1(44.77,76.83) ; 47.32,75.68 47.32,73.93 50.13,71.12 H1#5.5V ; 344.76,75.68 344.76,73.93 347.57,71.12 H1#9.5V ; 344.76,75.68 346.56,77.48 346.56,78.88 347.76,80.08 v1(349.86,80.08) 349.86,80.8 345.31,85.35 v1(345.31,89.03) ; 121.68,16.56 121.68,14.81 124.49,12 H1#4.5V ; 121.68,16.56 120.53,17.71 v1(119.13,17.71) ; 121.68,16.56 123.48,18.36 123.48,19.76 124.68,20.96 v1(126.78,20.96) 126.78,21.68 122.23,26.23 v1(122.23,29.91) ; H1.5V 198.85,12 196.04,14.81 196.04,16.56 ; v1(196.59,89.03) 196.59,85.35 201.14,80.8 v1(201.14,80.08) 199.04,80.08 197.84,78.88 197.84,77.48 196.04,75.68 ; v1(193.49,17.71) 194.89,17.71 196.04,16.56 ; 196.04,75.68 194.89,76.83 v1(193.49,76.83) ; 196.04,75.68 196.04,73.93 198.85,71.12 H1#7.5V ; 196.04,16.56 197.84,18.36 197.84,19.76 199.04,20.96 v1(201.14,20.96) 201.14,21.68 196.59,26.23 v1(196.59,29.91) ; 121.68,75.68 123.48,77.48 123.48,78.88 124.68,80.08 v1(126.78,80.08) 126.78,80.8 122.23,85.35 v1(122.23,89.03)
